# Altium PCB HW_RV_TOUCH_R1M1.PcbDoc (part 1 of 5) (continued)
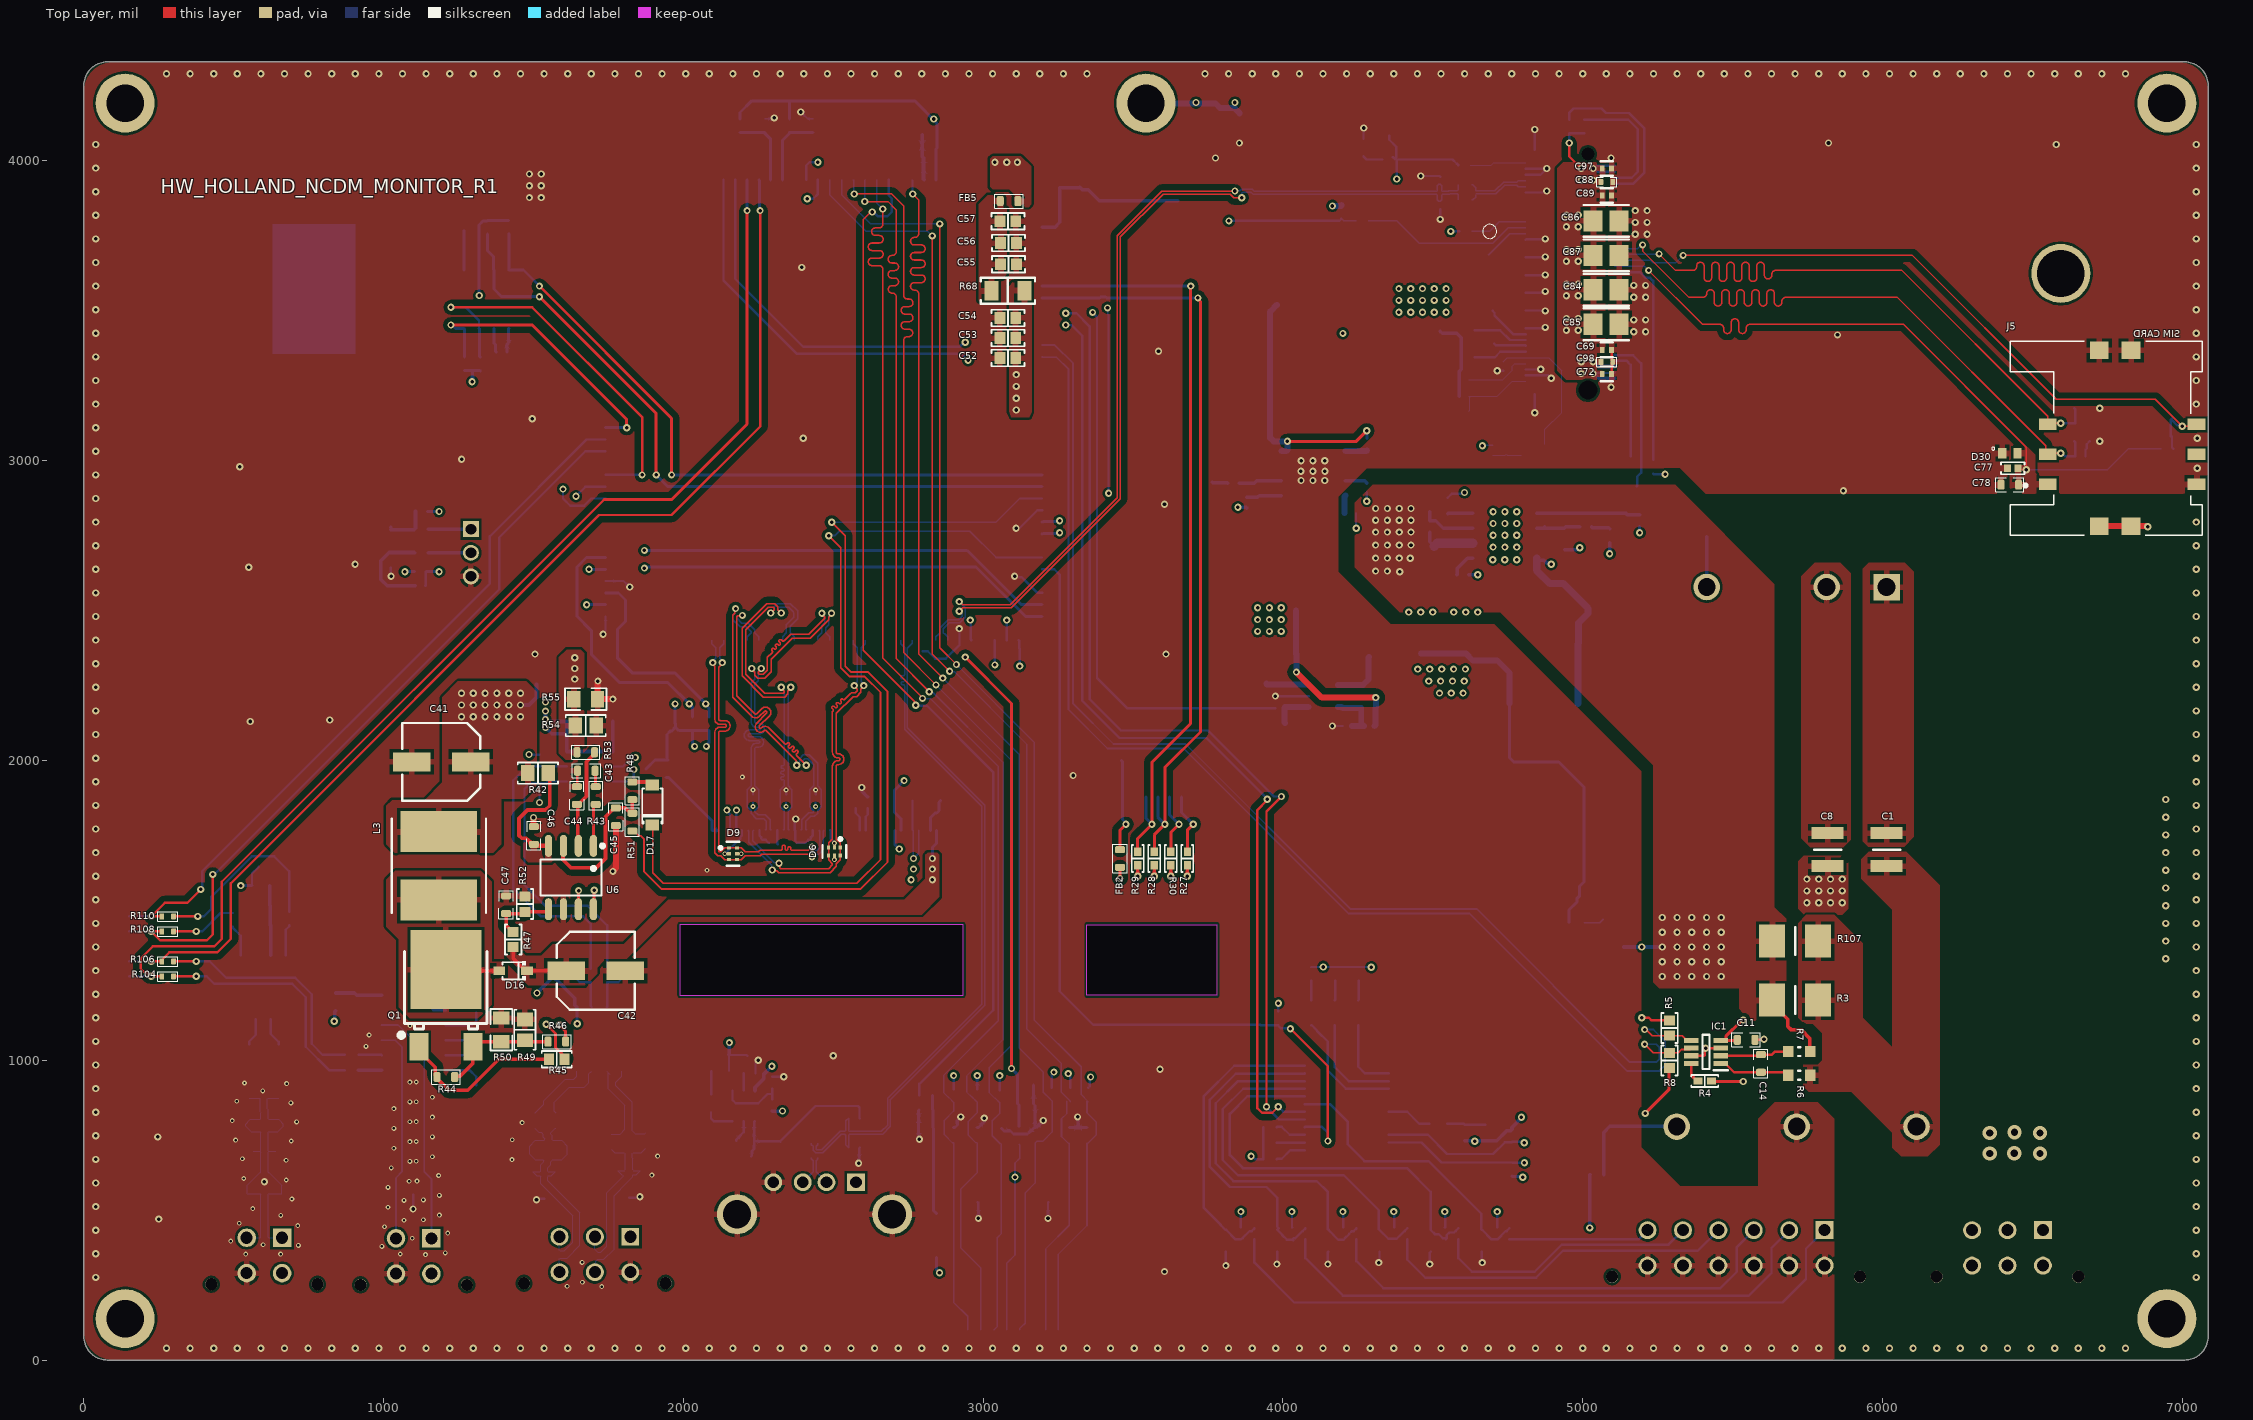
[diagram p0: Top Layer view]
## Components (designator, comment, footprint, x,y, rotation, side; value= is the part's Value field where it differs from the comment) (continued)
GND "GND" TEST_POINT#1 6255.91,149.61 r90 bottom
IC1 "INA232BIDDFR" SOT65P280X110-8N 5411.48,1027.87 r180 top
IC3 "ST3232BDR" "SOIC127P600X175-16N - DUPLICATE" 1100.11,1041.99 r180 bottom
IC4 "MCP23017T-E_SS" SOP65P780X200-28N 4212.95,866.54 r180 bottom
IC5 "TPS54540BQDDARQ1" SOIC127P600X170-9N 4740,2750 r0 bottom
IC6 "TPS54540BQDDARQ1" SOIC127P600X170-9N 4101.38,2958.27 r180 bottom
IC7 "RT8059GJ5" SOT94P280X100-5N 4135,2215 r0 bottom
J1 "FFC & FPC Connectors 0.5 FPC ZIF SMT R/AU prCont40CktEmbsTpPk" 54104-4031 2460.63,1751.97 r180 bottom
J2 "FFC & FPC Connectors RA SMT ZIF BOTTOM 6P FFC/FPC" 522710679 3562.99,1692.91 r180 bottom
J3 "1040310811" MOLEX_104031-0811 3070.87,314.96 r180 bottom
J4 "2199119-3" 2199119-3 4958.62,3629.25 r270 bottom locked
J5 "693010020611" WURTH_693010020611 6800,3075 r270 top locked
J6 "43045-0627" MOLEX_430450627 6535.43,433.07 r0 bottom
J7 "0430450427" MicroFit_2x2_VERT 602.36,332.48 r0 bottom
J8 "B3B-PH-K-S(LF)(SN)" SHDR3W50P0X200_1X3_790X450X600P 1291.34,2771.65 r90 bottom
J9 "87520-0010BLF" AMPHENOL_87520-0010BLF 2437.89,486.22 r180 bottom
J10 "43045-0627" MOLEX_430450627 1822.83,411.22 r0 bottom
J11 "0430450427" MicroFit_2x2_VERT 1100.39,330.71 r0 bottom
J12 "CONN HEADER VERT 12POS 3MM" MOLEX_430451227 5807.09,433.07 r0 bottom
L2 "CMC 100MA 2LN 90 OHM SMD" IND_MCZ1210AH_TDK 2437.99,698.82 r270 bottom
L3 "SRN8040TA-181M" INDPM8080X450N 1184.06,1648.9 r270 top
L4 "IHLP2525CZER4R7M01" FP-IHLP-2525CZ-FP_2_413x3-MFG 4095,3520 r0 bottom
L5 "SRN8040-3R6Y" SRN8040-3R3Y 4870,2190 r180 bottom
L6 "LQM2HPN2R2MG0L" INDC2520X100N 3945,2300 r90 bottom
MTG1 "Mounting Hole, 3MM" MTG-PTH-3MM 137.8,4192.91 r180 bottom locked
MTG2 "Mounting Hole, 3MM" MTG-PTH-3MM 6948.82,4192.91 r180 bottom locked
MTG3 "Mounting Hole, 3MM" MTG-PTH-3MM 137.8,137.8 r180 bottom locked
MTG4 "Mounting Hole, 3MM" MTG-PTH-3MM 6948.82,137.8 r180 bottom locked
MTG6 "Mounting Hole, 3MM" MTG-PTH-3MM 3543.31,4192.91 r180 bottom
P1 "62132021021" 62132021021 1688.23,1905 r270 bottom
P2 "62134021021" 62134021021 228.23,1655 r90 bottom locked
PS1 "RPA60-2412SFW/P" CONV_RPA60-2412SFW/P 5713.78,1678.74 r270 bottom
Q1 "MOSFET N-CH 100V 30A TO252-3" TO-252_L6.5-W6.1-P4.58-LS9.9-BR 1207.8,1173.8 r270 top value="N-Channel 100 V 30A (Tc) 57W (Tc) Surface Mount PG-TO252-3-11"
Q2 "MMBT3904LT1G" ONSC-SOT-23-3-318-08_V 4835,3055 r0 bottom
R1 "0 Ohms" "RES 0402_1005" 5047.24,618.11 r180 bottom
R2 "0 Ohms" "RES 0402_1005" 5047.24,669.29 r0 bottom
R3 "2.5mOhm 2W" RESC5125X89N 5708.66,1200.79 r180 top
R4 "10 kOhms" "RES 0402_1005" 5407.54,930.44 r0 top
R5 "4.7 kOhms" "RES 0603_1608" 5289.43,1107.6 r90 top
R6 "RES 20 OHM 1% 1/10W 0603" RES0603 5722.5,950.12 r0 top value=20R
R7 "RES 20 OHM 1% 1/10W 0603" RES0603 5722.5,1028.86 r0 top value=20R
R8 "4.7 kOhms" "RES 0603_1608" 5289.43,999.33 r270 top
R9 "523 kOhms" RES0402(1005) 4490,2780.32 r270 bottom
R10 "60.4 kOhms" RES0402(1005) 5190,2800.32 r270 bottom
R11 "1 kOhms" "RES 0603_1608" 4980.34,1460.43 r180 bottom
R12 "560 Ohms" "RES 0402_1005" 4355,4005 r0 bottom
R13 "1kOhms" RESC1005X40X25LL05T10 4280,2910 r90 bottom
R14 "43kOhms" RESC1005X40X25NL05T05 3880,2860 r270 bottom
R15 "1kOhms" RESC1005X40X25LL05T10 3990,2175 r0 bottom
R16 "0 Ohms" RES0402(1005) 4265,3800 r0 bottom
R17 "0 Ohms" RES0402(1005) 1520,2000 r90 bottom
R18 "10 Ohms" "RES 0603_1608" 1503.94,799.21 r270 bottom
R19 "RES SMD 120 OHM 1% 1/2W 1206" RES1206 1550,700 r180 bottom value=120R
R20 "10 Ohms" "RES 0603_1608" 1574.8,799.21 r270 bottom
R21 "0 Ohms" "RES 0402_1005" 1690.94,1282.68 r90 bottom
R22 "0 Ohms" "RES 0402_1005" 1746.06,1282.68 r90 bottom
R23 "10 Ohms" "RES 0603_1608" 1759.84,728.35 r270 bottom
R24 "10 Ohms" "RES 0603_1608" 1874.02,732.28 r270 bottom
R25 "10 kOhms" "RES 0402_1005" 2029.63,2122.05 r270 bottom
R26 "10 kOhms" "RES 0402_1005" 2084.75,2122.05 r270 bottom
R27 "10 kOhms" "RES 0402_1005" 3681.1,1673.23 r270 top
R28 "10 kOhms" "RES 0402_1005" 3570.87,1673.23 r270 top
R29 "10 kOhms" "RES 0402_1005" 3515.75,1673.23 r270 top
R30 "10 kOhms" "RES 0402_1005" 3625.98,1673.23 r270 top
R31 "0 Ohms" "RES 0402_1005" 496.06,1468.5 r90 bottom
R32 "RES SMD 120 OHM 1% 1/4W 1206" RES1206 602.36,787.4 r180 bottom value=120R
R33 "0 Ohms" "RES 0402_1005" 685.04,1472.44 r90 bottom
R34 "RES 150 OHM 1% 1/10W 0603" SMR0603 2122.65,964.19 r180 bottom value=150R
R35 "RES 100K OHM 1% 1/16W 0402" RES0402(1005) 2295.88,850.01 r270 bottom value=100k
R36 "RES 100K OHM 1% 1/16W 0402" RES0402(1005) 2295.88,924.82 r270 bottom value=100k
R37 "RES 13.3K OHM 1% 1/16W 0402" RES0402(1005) 2221.07,956.31 r180 bottom value=13.3k
R38 "RES 10K OHM 1% 1/16W 0402" RES0402(1005) 1122.05,2629.92 r180 bottom value=10k
R39 "RES 1K OHM 1% 1/16W 0402" RES0402(1005) 1125.98,2830.71 r0 bottom value=1k
R40 "0 Ohms" "RES 0402_1005" 1125.98,2771.65 r180 bottom
R41 "0 Ohms" "RES 0402_1005" 1125.98,2692.91 r180 bottom
R42 "10 Ohms" "RES 0805_2012" 1514.76,1957.95 r180 top
R43 "RES 56K OHM 1% 1/10W 0603" SMR0603 1707.68,1883.15 r270 top value=56k
R44 "RES 10K OHM 1% 1/10W 0603" SMR0603 1207.68,944.17 r0 top value=10k
R45 "0 Ohms" "RES 0603_1608" 1577.76,1003.23 r180 top
R46 "RES 22K OHM 1% 1/10W 0603" SMR0603 1577.76,1062.28 r180 top value=22k
R47 "51 kOhms" "RES 0603_1608" 1432.09,1402.83 r270 top
R48 "RES 1K OHM 1% 1/10W 0603" SMR0603 1829.72,1898.9 r270 top value=1k
R49 "300 mOhms" "RES 0805_2012" 1471.46,1101.65 r270 top
R50 "125mW Thick Film Resistors ±1% 300mΩ 0805 Chip Resistor - Surface Mount ROHS" SMR0805 1392.72,1101.65 r270 top value=0.3R
R51 "RES 10K OHM 1% 1/10W 0603" SMR0603 1829.72,1794.57 r90 top value=10k
R52 "4.7 kOhms" "RES 0603_1608" 1471.46,1520.95 r270 top
R53 "RES 10K OHM 1% 1/10W 0603" SMR0603 1674.21,2027.56 r180 top value=10k
R54 "1.4 Ohms" "RES 0805_2012" 1674.21,2116.14 r180 top
R55 "125mW Thick Film Resistors ±1% 2.43Ω 0805 Chip Resistor - Surface Mount ROHS" SMR0805 1674.21,2204.72 r180 top value=2.43R
R56 "10 kOhms" "RES 0402_1005" 1322.83,3322.83 r270 bottom
R57 "10 kOhms" "RES 0402_1005" 1270.24,3324 r270 bottom
R58 "10 kOhms" "RES 0402_1005" 1346.46,3779.53 r90 bottom
R59 "10 kOhms" "RES 0402_1005" 1417.32,3779.53 r90 bottom
R60 "10 kOhms" "RES 0402_1005" 3228.35,885.83 r90 bottom
R61 "10 kOhms" "RES 0402_1005" 3055.12,877.95 r90 bottom
R62 "10 kOhms" "RES 0402_1005" 3290,885 r90 bottom
R63 "10 kOhms" "RES 0402_1005" 3350,885 r90 bottom
R64 "10 kOhms" "RES 0402_1005" 2901.57,879.91 r90 bottom
R65 "10 kOhms" "RES 0402_1005" 2980.32,879.91 r90 bottom
R66 "1 kOhms" "RES 0402_1005" 2809.05,882.56 r0 bottom
R67 "10 kOhms" "RES 0402_1005" 2809.05,833.34 r0 bottom
R68 "250 mOhms" "RES 1206_3216" 3082.68,3566.93 r0 top
R69 "0 Ohms" "RES 0402_1005" 893.41,967.19 r180 bottom
R70 "0 Ohms" "RES 0402_1005" 893.41,1018.37 r180 bottom
R71 "10 kOhms" RES0402(1005) 4713.78,422.35 r90 bottom
R72 "0 Ohms" RES0402 1520,1905 r270 bottom
R73 "249kOhm" RESC1005X40X25NL05T05 4287.72,2115 r0 bottom
R74 "54.9kOhm" RESC1005X40X25LL05T10 4215,2115 r0 bottom
R75 "10 kOhms" "RES 0402_1005" 4195,3830 r90 bottom
R76 "4.7kOhms" RESC1005X40X25NL05T10 4700,3035 r270 bottom
R77 "47kOhms" RESC1005X40X25ML05T10 4745,3040 r270 bottom
R78 "10 kOhms" "RES 0402_1005" 4955,4115 r270 bottom
R79 "10 kOhms" "RES 0402_1005" 5005,4115 r270 bottom
R80 "0 Ohms" "RES 0402_1005" 4607.64,3920 r0 bottom
R81 "0 Ohms" "RES 0402_1005" 4607.64,3870 r0 bottom
R82 "10 kOhms" "RES 0402_1005" 5235,2980 r270 bottom
R83 "1 MOhms" "RES 0402_1005" 3855,4135 r270 bottom
R84 "10 kOhms" "RES 0402_1005" 4764.13,750.39 r90 bottom
R85 "100Ohms" RESC1005X40X25ML05T10 4755,421.3 r90 bottom
R86 "10 kOhms" RES0402(1005) 4542.98,422.35 r90 bottom
R87 "100Ohms" RESC1005X40X25ML05T10 4585,421.3 r90 bottom
R88 "10 kOhms" RES0402(1005) 4372.18,422.35 r90 bottom
R89 "10 kOhms" "RES 0402_1005" 4764.13,636.22 r270 bottom
R90 "100Ohms" RESC1005X40X25ML05T10 4415,421.3 r90 bottom
R91 "10 kOhms" RES0402(1005) 4201.38,422.35 r90 bottom
R92 "100Ohms" RESC1005X40X25ML05T10 4245,421.3 r90 bottom
R93 "10 kOhms" RES0402(1005) 4030.58,422.35 r90 bottom
R94 "100Ohms" RESC1005X40X25ML05T10 4075,421.3 r90 bottom
R95 "22 Ohms" "RES 0402_1005" 2354.33,4118.11 r90 bottom
R96 "10 kOhms" RES0402(1005) 3859.78,422.35 r90 bottom
R97 "22 Ohms" "RES 0402_1005" 2188.98,4118.11 r90 bottom
R98 "100Ohms" RESC1005X40X25ML05T10 3905,421.3 r90 bottom
R99 "22 Ohms" "RES 0402_1005" 2433.07,4118.11 r90 bottom
R100 "10 kOhms" "RES 0402_1005" 3985,1140 r90 bottom
R101 "10 kOhms" "RES 0402_1005" 3957.05,669.68 r180 bottom
R102 "10 kOhms" "RES 0402_1005" 3957.05,724.8 r180 bottom
R103 "10 kOhms" "RES 0402_1005" 3957.05,775.98 r180 bottom
R104 "0 Ohms" RES0402(1005) 279.68,1280 r180 top
R105 "22 Ohms" "RES 0402_1005" 2271.65,4118.11 r90 bottom
R106 "0 Ohms" RES0402 279.68,1330 r180 top
R107 "2.5mOhm 2W" RESC5125X89N 5708.66,1397.64 r180 top
R108 "0 Ohms" RES0402(1005) 279.68,1430 r180 top
R109 "23.7kohms" RESC1005X40X25ML05T05 5010,2780 r180 bottom
R110 "0 Ohms" RES0402 279.68,1480 r180 top
R111 "78.7 kOhms" RES0402(1005) 4490,2850 r270 bottom
R113 "11.5 kOhms" RES0402(1005) 5150,2800 r90 bottom
R114 "1 kOhms" "RES 0402_1005" 4253.7,1288.62 r90 bottom
R115 "680 Ohms" "RES 0402_1005" 4174.96,1288.62 r90 bottom
R118 "820 Ohms" "RES 0402_1005" 4094.25,1288.62 r90 bottom
R120 "11.5 kOhms" RES0402(1005) 3915,2860 r90 bottom
R122 "76.8kOhms" RESC1609X50X30ML10T20 4550,2850 r270 bottom
R124 "15.4kOhms" RESC1005X40X25ML05T05 3835,2925 r0 bottom
R126 "97.6kOhms" RESC1005X40X25ML05T10 4225,2825 r180 bottom
R128 "0 Ohms" RES0402(1005) 2615,1860 r90 bottom
R130 "0 Ohms" RES0402(1005) 2575,1860 r90 bottom
R133 "10 kOhms" RES0402(1005) 4607.64,3985 r180 bottom
R134 "10 kOhms" RES0402(1005) 4607.64,3215 r180 bottom
R135 "10 kOhms" RES0402(1005) 4607.64,3270 r180 bottom
R136 "10 kOhms" RES0402(1005) 4607.64,3765 r180 bottom
R137 "0 Ohms" RES0402(1005) 5160,2995.32 r270 bottom
R138 "10 kOhms" RES0402(1005) 6950,3040 r180 bottom
S1 "SKRAAME010" "SKRAAME010 - DUPLICATE" 3535.31,3788.27 r180 bottom
T1 "ACT45B-510-2P" TDK_ACT45B-510-2P-TL003_0 600.39,963.58 r270 bottom
TP1 "VIN" TEST_POINT_SMD#1 6780,475 r180 bottom
TP2 "+12VIN" TEST_POINT_SMD#1 5137.8,1377.95 r180 bottom
TP3 "CTRL" TEST_POINT_SMD#1 5413.39,2746.06 r0 bottom
TP4 "+12V" TEST_POINT_SMD#1 4455,2945 r90 bottom
TP6 "VCC_GSM" TEST_POINT_SMD#1 4355,4085 r0 bottom
TP7 "+5V" TEST_POINT_SMD#2 4980.34,1539.17 r180 bottom
TP8 "SIM_DET" TEST_POINT#1 5180,2915 r90 bottom
TP10 "RS422" TEST_POINT#1 1631.89,1282.68 r180 bottom
TP11 "RS422" TEST_POINT#1 1805.12,1282.68 r180 bottom
TP12 "+3V3" TEST_POINT#1 1885,1970 r0 bottom
TP13 "CAT" TEST_POINT#1 2763.78,1866.14 r180 bottom
TP14 "AN" TEST_POINT#1 2858.27,1866.14 r180 bottom
TP15 "+3V3" TEST_POINT#1 3462.74,1998.3 r180 bottom
TP16 "+3V3" TEST_POINT_SMD#1 3855,2475 r90 bottom
TP17 "5V" TEST_POINT_SMD#1 4440,2235 r90 bottom
TP18 "+3V3" TEST_POINT#1 598.43,1645.67 r0 bottom
TP19 "VCC_USB" TEST_POINT#1 2322.83,728.35 r90 bottom
TP20 "+5V0" TEST_POINT#1 2212.6,1015.75 r90 bottom
TP21 "+12V0" TEST_POINT#1 1510,2255 r0 bottom
TP22 "config3" TEST_POINT#1 4685,3985 r90 bottom
TP23 "config0" TEST_POINT#2 4690,3765 r180 top
TP24 "WAKE_ON" TEST_POINT#1 4335,3800 r0 bottom
TP25 "32KHZ" TEST_POINT#1 1267.72,3767.72 r270 bottom
TP26 "GND" TEST_POINT#1 1484.25,4098.43 r270 bottom
TP27 "GND" TEST_POINT#1 2106.3,240.16 r90 bottom
TP28 "DRP" TEST_POINT#1 4685,3685 r0 bottom locked
TP29 "GND" TEST_POINT#1 4825,1550 r270 bottom
TP30 "" TEST_POINT#1 4700,3500 r90 bottom
TP31 "config0" TEST_POINT#1 4640,3435 r90 bottom
TP32 "" TEST_POINT#1 4710,3395 r90 bottom
TP33 "" TEST_POINT#1 4640,3345 r90 bottom
TP35 "config1" TEST_POINT#1 4665,3270 r90 bottom
TP36 "config2" TEST_POINT#1 4620,3165 r90 bottom
U1 "FILTER LC 4.7UF SMD" MURATA_BNX02_MFG 6620.08,2327.39 r90 bottom
U2 "ADM3074EARZ-REEL7" SOIC127P600X175-8N 1719.57,1070.8 r270 bottom
U3 "IC TRANSCEIVER HALF 1/1 8SOIC" "SOIC8 - duplicate" 598.43,1244.09 r270 bottom value=CAN
U4 "IC PWR SWTCH N/P-CHAN 1:1 TSOT26" SOT95P280X100-6N 2201.39,848.04 r90 bottom
U5 "TVS DIODE 5.25VWM 17VC SOT23-6" SOT95P280X145-6N 2588.58,757.87 r90 bottom
U6 "BIT3368 LED DRIVER CONTROLLER" SOP-8_L4.9-W3.9-P1.27-LS6.0-BL 1625,1609.53 r180 top
U7 "DS3232MZ+TRL" "SOIC127P600X175-8N - DUPLICATE1" 1343.08,3538.56 r270 bottom
U8 "MYC-YT11S3" YOUPK37X39_1_00-SMD-148 2466.53,3171.26 r0 bottom locked

## Footprints (in the part's own frame and the unit in brackets; to place one, negate y for a bottom-side part, rotate by r counter-clockwise, add the part's x,y. Pads: shape width x height; smd on the part's side, far side on the other; paste and mask are expansions set on the pad)
54104-4031 [mm]
  rect 0.3x1.2 smd: 1(9.75,0.382) 2(9.25,0.382) 3(8.75,0.382) 4(8.25,0.382) 5(7.75,0.382) 6(7.25,0.382) 7(6.75,0.382) 8(6.25,0.382) 9(5.75,0.382) 10(5.25,0.382) 11(4.75,0.382) 12(4.25,0.382) 13(3.75,0.382) 14(3.25,0.382) 15(2.75,0.382) 16(2.25,0.382) 17(1.75,0.382) 18(1.25,0.382) 19(0.75,0.382) 20(0.25,0.382) 21(-0.25,0.382) 22(-0.75,0.382) 23(-1.25,0.382) 24(-1.75,0.382) 25(-2.25,0.382) 26(-2.75,0.382) 27(-3.25,0.382) 28(-3.75,0.382) 29(-4.25,0.382) 30(-4.75,0.382) 31(-5.25,0.382) 32(-5.75,0.382) 33(-6.25,0.382) 34(-6.75,0.382) 35(-7.25,0.382) 36(-7.75,0.382) 37(-8.25,0.382) 38(-8.75,0.382) 39(-9.25,0.382) 40(-9.75,0.382)
  rect 2.4x2.4 smd: 41(-11.85,-2.318) 42(11.85,-2.318)
  silkscreen extent -12.15,-6.55 12.15,1.43, body extent -12.75,-4.81 12.75,0.79, height 2.05
2199119-3 [mm]
  rect 0.3x1.55 smd: 1(-9.25,3.775) 2(-9,-3.775) 3(-8.75,3.775) 4(-8.5,-3.775) 5(-8.25,3.775) 6(-8,-3.775) 7(-7.75,3.775) 8(-7.5,-3.775) 9(-7.25,3.775) 10(-7,-3.775) 11(-6.75,3.775) 20(-4.5,-3.775) 21(-4.25,3.775) 22(-4,-3.775) 23(-3.75,3.775) 24(-3.5,-3.775) 25(-3.25,3.775) 26(-3,-3.775) 27(-2.75,3.775) 28(-2.5,-3.775) 29(-2.25,3.775) 30(-2,-3.775) 31(-1.75,3.775) 32(-1.5,-3.775) 33(-1.25,3.775) 34(-1,-3.775) 35(-0.75,3.775) 36(-0.5,-3.775) 37(-0.25,3.775) 38(0,-3.775) 39(0.25,3.775) 40(0.5,-3.775) 41(0.75,3.775) 42(1,-3.775) 43(1.25,3.775) 44(1.5,-3.775) 45(1.75,3.775) 46(2,-3.775) 47(2.25,3.775) 48(2.5,-3.775) 49(2.75,3.775) 50(3,-3.775) 51(3.25,3.775) 52(3.5,-3.775) 53(3.75,3.775) 54(4,-3.775) 55(4.25,3.775) 56(4.5,-3.775) 57(4.75,3.775) 58(5,-3.775) 59(5.25,3.775) 60(5.5,-3.775) 61(5.75,3.775) 62(6,-3.775) 63(6.25,3.775) 64(6.5,-3.775) 65(6.75,3.775) 66(7,-3.775) 67(7.25,3.775) 68(7.5,-3.775) 69(7.75,3.775) 70(8,-3.775) 71(8.25,3.775) 72(8.5,-3.775) 73(8.75,3.775) 74(9,-3.775) 75(9.25,3.775)
  rect 1.2x2.75 smd: 76(-10.35,3) 77(10.35,3)
  round 0.55 hole 1.1 unplated: 78(-10,-1.5)
  round 0.8 hole 1.6 unplated: 79(10,-1.5)
  silkscreen extent -10.92,-3.55 10.92,5, body extent -15,-41.42 15,4.35, height 3.8
522710679 [mm]
  rect 0.6x1.9 smd: 1(2.5,4.7) 2(1.5,4.7) 3(0.5,4.7) 4(-0.5,4.7) 5(-1.5,4.7) 6(-2.5,4.7)
  rect 2.1x2.8 smd: MP1(-5.65,2.35) MP2(5.65,2.35)
  silkscreen extent -5.5,-3.35 5.5,6.3, body extent -6.5,-2.27 6.5,5.13, height 3
62132021021 [mm] "Pin Header, pitch 1.27 mm, SMD, Vertical, dual row, 20p"
  rect 0.75x2.4 smd: 1(-5.715,-1.95) 2(-5.715,1.95) 3(-4.445,-1.95) 4(-4.445,1.95) 5(-3.175,-1.95) 6(-3.175,1.95) 7(-1.905,-1.95) 8(-1.905,1.95) 9(-0.635,-1.95) 10(-0.635,1.95) 11(0.635,-1.95) 12(0.635,1.95) 13(1.905,-1.95) 14(1.905,1.95) 15(3.175,-1.95) 16(3.175,1.95) 17(4.445,-1.95) 18(4.445,1.95) 19(5.715,-1.95) 20(5.715,1.95)
  silkscreen extent -6.95,-2.02 -6.71,-1.78, body extent -6.35,-2.55 6.35,2.55, height 5.9
62134021021 [mm] "Pin Header, pitch 1.27 mm, SMD, Vertical, dual row, 40p"
  rect 0.75x2.4 smd: 1(-12.065,-1.95) 2(-12.065,1.95) 3(-10.795,-1.95) 4(-10.795,1.95) 5(-9.525,-1.95) 6(-9.525,1.95) 7(-8.255,-1.95) 8(-8.255,1.95) 9(-6.985,-1.95) 10(-6.985,1.95) 11(-5.715,-1.95) 12(-5.715,1.95) 13(-4.445,-1.95) 14(-4.445,1.95) 15(-3.175,-1.95) 16(-3.175,1.95) 17(-1.905,-1.95) 18(-1.905,1.95) 19(-0.635,-1.95) 20(-0.635,1.95) 21(0.635,-1.95) 22(0.635,1.95) 23(1.905,-1.95) 24(1.905,1.95) 25(3.175,-1.95) 26(3.175,1.95) 27(4.445,-1.95) 28(4.445,1.95) 29(5.715,-1.95) 30(5.715,1.95) 31(6.985,-1.95) 32(6.985,1.95) 33(8.255,-1.95) 34(8.255,1.95) 35(9.525,-1.95) 36(9.525,1.95) 37(10.795,-1.95) 38(10.795,1.95) 39(12.065,-1.95) 40(12.065,1.95)
  silkscreen extent -13.3,-2.02 -13.06,-1.77, body extent -12.7,-2.55 12.7,2.55, height 5.9
AMPHENOL_87520-0010BLF [mm]
  rect 1.508x1.508 / inner round 1.508 / far side rect 1.508x1.508 hole 1 mask+0.05: 1(-3.5,2.71)
  round 1.508 hole 1 mask+0.05: 2(-1,2.71) 3(1,2.71) 4(3.5,2.71)
  round 3.396 hole 2.38 mask+0.05: SH1(-6.57,0) SH2(6.57,0)
  silkscreen extent -7.25,-10.3 7.25,4.35, body extent -7.24,-10.3 7.26,3.7, height 7.7
BAT_BU2032SM-G [mm]
  rect 3.2x4.2 smd: NEG(14.65,0) POS(-14.65,0)
  Top Layer region: 5.5,-3.5 -5.5,-3.5 -5.5,3.5 5.5,3.5
  silkscreen extent -15,-8 14.5,8, body extent -15.8,-10 15.8,10, height 5.21
CAP0402(1005)X0.5 [mm]
  rrect25% 0.4x0.5 smd mask+0.102: 1(-0.5,0) 2(0.5,0)
  silkscreen extent -0.85,-0.4 0.85,0.4, body extent -0.5,-0.25 0.5,0.25, height 0.51
CAP0603 [mm] "CAPACITOR 0603"
  rect 1x1.05 smd: 1(-0.925,0) 2(0.925,0)
  silkscreen extent -0.05,-0.43 0.05,0.43, body extent -0.8,-0.4 0.8,0.4, height 0.8
CAP1206 [mil]
  rect 43.52x65.28 smd paste+0 mask+0: 1(-50.25,0) 2(50.25,0)
  silkscreen extent -17,-34 17,34, body extent -63,-31 63,31, height 55
CAP1210 [mm]
  rect 1.5x2.75 smd: 1(-1.475,0) 2(1.475,0)
  silkscreen extent -0.35,-1.28 0.35,1.27, body extent -1.6,-1.25 1.6,1.25, height 1.8
CAP1812 [mm]
  rect 1.5x3.45 smd: 1(-2,0) 2(2,0)
  silkscreen extent -1.5,-2.1 1.5,2.1, body extent -2.25,-1.6 2.25,1.6, height 1.4
"CAP 0402_1005" [mm] "Chip Capacitor, 2-Leads, Body 1.02x0.51mm, IPC Medium Density"
  rect 0.6x0.64 smd: 1(-0.44,0) 2(0.44,0)
  silkscreen extent -1,-0.5 1,0.5, body extent -0.5,-0.26 0.5,0.26, height 0.52
"CAP 0603_1608" [mm] "Chip Capacitor, 2-Leads, Body 1.60x0.80mm, IPC Medium Density"
  rect 0.9x1 smd: 1(-0.675,0) 2(0.675,0)
  silkscreen extent -1.4,-0.7 1.4,0.7, body extent -0.8,-0.41 0.8,0.41, height 0.82
"CAP 0805_2012" [mm] "Chip Capacitor, 2-Leads, Body 2.00x1.20mm, IPC Medium Density"
  rect 1.3x1.4 smd: 1(-0.8,0) 2(0.8,0)
  silkscreen extent -1.7,-0.9 1.7,0.9, body extent -1,-0.64 1,0.64, height 1.26
"CAP 1206_3216 - 0.8MM" [mm] "Chip Capacitor, 2-Leads, Body 3.25x1.60mm, IPC Medium Density"
  rect 1.3x1.8 smd: 1(-1.45,0) 2(1.45,0)
  silkscreen extent -2.38,-1.12 2.37,1.12, body extent -1.6,-0.8 1.6,0.8, height 0.8
"CAP 1206_3216 - 1.8MM" [mm] "Chip Capacitor, 2-Leads, Body 3.25x1.60mm, IPC Medium Density"
  rect 1.3x1.8 smd: 1(-1.45,0) 2(1.45,0)
  silkscreen extent -2.38,-1.12 2.37,1.13, body extent -1.6,-0.8 1.6,0.8, height 1.8
"CAP ALSMD 6.6MM H5.4MM" [mm] "Aluminum Electrolytic Capacitor, Body 6.60x6.60x5.40mm, IPC Low Density"
  rect 3.2x1.6 smd: 1(-2.5,0) 2(2.5,0)
  silkscreen extent -3.3,-3.3 3.3,3.3, body extent -3.5,-3.3 3.5,3.3, height 5.4
CAPC1608X90X35NL10T15 [mm] "Chip Capacitor, 2-Leads, Body 1.60x0.80mm, IPC Medium Density"
  rect 0.85x0.95 smd: 1(-0.675,0) 2(0.675,0)
  body extent -0.85,-0.45 0.85,0.45, height 0.9
CAPC3216X180N [mm]
  rect 1.05x1.82 smd: 1(-1.39,0) 2(1.39,0)
  silkscreen extent 0,-0.7 0,0.7, body extent -1.6,-0.8 1.6,0.8, height 1.8
CAPC3225X280N [mm]
  rect 1.02x2.72 smd: 1(-1.4,0) 2(1.4,0)
  silkscreen extent 0,-1.15 0,1.15, body extent -1.7,-1.35 1.7,1.35, height 2.8
CONV_RPA60-2412SFW/P [mm]
  rect 2.25x2.25 hole 1.5: 1(-22.86,-7.62)
  round 2.25 hole 1.5: 2(-22.86,-2.54) 3(-22.86,7.62) 4(22.86,10.16) 5(22.86,0) 6(22.86,-10.16)
  silkscreen extent -27.5,-12.7 25.4,12.7, body extent -25.4,-12.75 25.4,12.65, height 10.21
DIOM7959X250N [mm]
  rect 2.2x3.1 smd: 1(-3.5,0) 2(3.5,0)
  silkscreen extent -4.6,-2.95 3.97,4.25, body extent -3.97,-2.95 3.97,2.95, height 2.5
DIOM7959X262N [mm]
  rect 2.2x3.15 smd: 1(-3.5,0) 2(3.5,0)
  silkscreen extent -4.6,-2.95 3.97,2.95, body extent -3.97,-2.95 3.97,2.95, height 2.62
"FB 0603(1608)" [mm]
  rrect50% 0.6x0.85 smd: 1(-0.75,0) 2(0.75,0)
  silkscreen extent -1.2,-0.6 1.2,0.6, body extent -0.8,-0.4 0.8,0.4, height 0.8
FP-C0603C-CF-MFG [mm]
  rect 0.75x0.9 smd paste+0 mask+0: 1(-0.6,0) 2(0.6,0)
  silkscreen extent -0.87,-0.85 0.88,0.85, body extent -0.8,-0.4 0.8,0.4, height 0.87
FP-C3216-160-0_3-IPC_C [mil]
  rect 63.15x71.11 smd paste+0 mask+0: 1(-43.35,0) 2(43.35,0)
  silkscreen extent -75,-53 75,53, body extent -79,-41 79,41, height 10
FP-CGA2B-MFG [mm]
  rect 0.4x0.5 smd paste+0 mask+0: 1(-0.4,0) 2(0.4,0)
  silkscreen extent -0.53,-0.63 0.53,0.63, body extent -0.7,-0.38 0.7,0.38, height 0.25
FP-CL165-IPC_C [mil]
  rect 20.29x18.6 smd paste+0 mask+0: 1(-14.9,0) 2(14.9,0)
  silkscreen extent -25,-27 25,27, body extent -20,-10 20,10, height 22
FP-GRM15-MFG [mm]
  rect 0.4x0.5 smd paste+0 mask+0: 1(-0.4,0) 2(0.4,0)
  silkscreen extent -0.53,-0.63 0.53,0.63, body extent -0.7,-0.38 0.7,0.38, height 0.25
FP-GRM32E-0_3-0_2-IPC_C [mil]
  rect 67.04x102.61 smd paste+0 mask+0: 1(-41.36,0) 2(41.36,0)
  silkscreen extent -75,-69 75,69, body extent -63,-49 63,49, height 106
FP-IHLP-2525CZ-FP_2_413x3-MFG [mil]
  rect 95x135 smd paste+0 mask+0: 1(-115,0) 2(115,0)
  silkscreen extent -132,-132 132,132, body extent -135,-127 135,127, height 118
FP-SESD0402-MFG [mm]
  rect 0.35x0.6 smd paste+0 mask+0: 1(-0.325,0) 2(0.325,0)
  silkscreen extent -0.53,-0.71 0.53,0.7, body extent -0.5,-0.3 0.5,0.3, height 0.43
IND_MCZ1210AH_TDK [mil]
  rect 20x12 smd paste-6 mask+0: 1(-24.11,10.83) 2(-24.11,-10.83) 3(24.11,-10.83) 4(24.11,10.83)
  silkscreen extent -42,-27 7,29, body extent -27,-23 27,23, height 24
INDC2520X100N [mm]
  rect 1.25x2.2 smd: 1(-1.1,0) 2(1.1,0)
  silkscreen extent 0,-0.9 0,0.9, body extent -1.25,-1 1.25,1, height 1
INDPM8080X450N [mm]
  rect 3.45x6.5 smd: 1(-2.9,0) 2(2.9,0)
  silkscreen extent -4,-4 4,4, body extent -4,-4 4,4, height 4.5
LED0805 [mm]
  rect 1.1x1.2 smd: 1(-1.05,0) 2(1.05,0)
  silkscreen extent -0.15,-0.5 0.15,0.5, body extent -1,-0.63 1,0.62, height 0.68
LITE-ON_0_MFG [mm]
  rect 0.8x0.8 smd paste+0 mask+0: 1(-0.75,0) 2(0.75,0)
  silkscreen extent -1.82,-0.8 0.7,0.8, body extent -0.8,-0.4 0.8,0.4, height 0.65
LITE-ON_GREEN_MFG [mm]
  rect 0.8x0.8 smd paste+0 mask+0: 1(-0.75,0) 2(0.75,0)
  silkscreen extent -1.82,-0.77 0.85,0.77, body extent -0.8,-0.4 0.8,0.4, height 0.65
LITTELFUSE_SM712_MFG [mm]
  rect 0.78x0.78 smd paste+0 mask+0: 1(-1.145,0.95) 2(-1.145,-0.95) 3(1.145,0)
  silkscreen extent -0.7,-1.52 0.7,1.52, body extent -1.25,-1.5 1.25,1.5, height 1.1
MicroFit_2x2_VERT [mm]
  rect 1.57x1.57 hole 1.02 paste-2539.97 mask+0: 1(1.5,-1.915)
  round 1.57 hole 1.02 paste-2539.97 mask+0: 2(-1.5,-1.915) 3(1.5,1.085) 4(-1.5,1.085)
  round 1.02 hole 1.02 unplated paste-2539.97 mask+0: ""(-4.5,2.025) ""(4.5,2.025)
  silkscreen extent -5.2,-4.63 5.93,4.63, body extent -5.08,-4.39 5.08,4.39, height 10.16
MOLEX_104031-0811 [mm]
  rect 0.85x1.1 smd: 1(3.105,-5.45) 2(2.005,-5.45) 3(0.905,-5.45) 4(-0.195,-5.45) 5(-1.295,-5.45) 6(-2.395,-5.45) 7(-3.495,-5.45)
  rect 0.75x1.1 smd: 8(-4.545,-5.45)
  rect 1.2x1 smd: 9(5.74,0.7) 10(5.74,4.4)
  rect 1.55x1.35 smd: G1(5.565,-5.325)
  rect 1.17x1.8 smd: G2(-5.755,-5.1)
  rect 1.9x1.35 smd: G3(-3.73,5.375) G4(2.24,5.375)
  silkscreen extent -5.98,-6.9 5.97,5.7, body extent -5.98,-5.7 5.97,5.7, height 1.43
MOLEX_430450627 [mm]
  rect 1.52x1.52 / inner round 1.52 / far side rect 1.52x1.52 hole 1.02 mask+0.076: 1(0,0)
  round 1.52 hole 1.02 mask+0.076: 2(-3,0) 3(-6,0) 4(0,3) 5(-3,3) 6(-6,3)
  round 1.02 hole 1.02 unplated mask+0.076: ""(-9,3.94) ""(3,3.94)
  silkscreen extent -9.58,-2.47 4.63,6.3, body extent -9.58,-2.47 3.57,6.3, height 9.92
MOLEX_430451227 [mm]
  rect 1.52x1.52 / inner round 1.52 / far side rect 1.52x1.52 hole 1.02 mask+0.076: 1(0,0)
  round 1.52 hole 1.02 mask+0.076: 2(-3,0) 3(-6,0) 4(-9,0) 5(-12,0) 6(-15,0) 7(0,3) 8(-3,3) 9(-6,3) 10(-9,3) 11(-12,3) 12(-15,3)
  round 1.02 hole 1.02 unplated mask+0.076: ""(-18,3.94) ""(3,3.94)
  silkscreen extent -18.57,-2.47 4.63,6.3, body extent -18.57,-2.45 3.58,6.32, height 9.92
MTG-PTH-3MM [mm]
  round 5 hole 3.175: 0(0,0)
  Mechanical 1 keep-out circle w1.651: c0,0 r3.028
  Bottom Courtyard keep-out circle w1.651: c0,0 r3.028
  body extent -3.81,-3.81 3.81,3.81, height 0.03
MURATA_BNX02_MFG [mm]
  rect 3.8x2.5 smd paste+0 mask+0: 1(-6.85,2.15) 2(6.85,2.15) 3(-6.85,-2.15) 4(6.85,-2.15)
  rect 7.9x2.3 smd paste+0 mask+0: 4(1,-5.05)
  rect 3.4x2.3 smd paste+0 mask+0: 4(3.25,5.1)
  silkscreen extent -9.45,-4.65 6.15,4.65, body extent -6.05,-4.55 6.05,4.55, height 3.35
NEXPERIA_SOT23_0 [mm]
  rect 0.6x0.7 smd paste-1000 mask+0: 1(0.95,1) 2(-0.95,1) 3(0,-1)
  silkscreen extent -1.5,-0.7 2.22,1.12, body extent -1.45,-1.22 1.45,1.22, height 1.1
NEXPERIA_SOT886_MFG [mm]
  rect 0.325x0.27 smd paste+0 mask+0: 1(-0.337,0.5) 2(-0.337,0) 3(-0.337,-0.5) 4(0.337,-0.5) 5(0.337,0) 6(0.337,0.5)
  silkscreen extent -1.17,-1.01 0.53,1.01, body extent -0.5,-0.72 0.5,0.73, height 0.5
ONSC-SOT-23-3-318-08_V [mm] "SOT23, 3-Leads, Body 2.92x1.3mm, Pitch 0.95mm"
  rect 0.9x0.8 smd: 1(-1,0.95) 2(-1,-0.95) 3(1,0)
  silkscreen extent -1.12,-1.46 0.65,2.02, body extent -0.65,-1.46 0.65,1.46, height 1.11
RES0402 [mm]
  rrect25% 0.4x0.5 smd mask+0.102: 1(-0.5,0) 2(0.5,0)
  silkscreen extent -0.85,-0.4 0.85,0.4, body extent -0.5,-0.25 0.5,0.25, height 0.35
RES0402(1005) [mm]
  rrect25% 0.4x0.5 smd mask+0.102: 1(-0.5,0) 2(0.5,0)
  silkscreen extent -0.85,-0.4 0.85,0.4, body extent -0.5,-0.25 0.5,0.25, height 0.35
RES0603 [mm]
  rect 0.9x0.95 smd: 1(-0.925,0) 2(0.925,0)
  silkscreen extent -0.1,-0.38 0.1,0.38, body extent -0.8,-0.4 0.8,0.4, height 0.5
RES1206 [mm]
  rect 1.05x1.75 smd: 1(-1.6,0) 2(1.6,0)
  silkscreen extent -0.7,-0.77 0.7,0.77, body extent -1.55,-0.8 1.55,0.8, height 0.55
"RES 0402_1005" [mm] "Chip Resistor, 2-Leads, Body 1.0x0.5mm, IPC Medium Density"
  rect 0.75x0.6 smd: 1(-0.575,0) 2(0.575,0)
  silkscreen extent -1.14,-0.51 1.14,0.51, body extent -0.5,-0.25 0.5,0.25, height 0.35
"RES 0603_1608" [mm] "Chip Resistor, 2-Leads, Body 1.60x0.80mm, IPC Medium Density"
  rect 0.85x0.95 smd: 1(-0.65,0) 2(0.65,0)
  silkscreen extent -1.27,-0.7 1.27,0.7, body extent -0.8,-0.4 0.8,0.4, height 0.45
"RES 0805_2012" [mm] "Chip Resistor, 2-Leads, Body 2.00x1.25mm, IPC Medium Density"
  rect 1.15x1.35 smd: 1(-0.875,0) 2(0.875,0)
  silkscreen extent -1.7,-0.9 1.7,0.9, body extent -1,-0.62 1,0.63, height 0.6
"RES 1206_3216" [mm] "Chip Resistor, 2-Leads, Body 3.13x1.55mm, IPC Medium Density"
  rect 1.2x1.65 smd: 1(-1.4,0) 2(1.4,0)
  silkscreen extent -2.3,-1.1 2.3,1.1, body extent -1.6,-0.8 1.6,0.8, height 0.6
RESC1005X40X25LL05T10 [mm] "Chip Resistor, 2-Leads, Body 1.00x0.50mm, IPC High Density"
  rect 0.5x0.45 smd: 1(-0.375,0) 2(0.375,0)
  body extent -0.53,-0.27 0.53,0.28, height 0.4
RESC1005X40X25ML05T05 [mm] "Chip Resistor, 2-Leads, Body 1.00x0.50mm, IPC Low Density"
  rect 0.65x0.65 smd: 1(-0.5,0) 2(0.5,0)
  body extent -0.53,-0.27 0.53,0.28, height 0.4
RESC1005X40X25ML05T10 [mm] "Chip Resistor, 2-Leads, Body 1.00x0.50mm, IPC Low Density"
  rect 0.7x0.65 smd: 1(-0.475,0) 2(0.475,0)
  body extent -0.53,-0.27 0.53,0.28, height 0.4
RESC1005X40X25NL05T05 [mm] "Chip Resistor, 2-Leads, Body 1.00x0.50mm, IPC Medium Density"
  rect 0.55x0.55 smd: 1(-0.45,0) 2(0.45,0)
  body extent -0.53,-0.27 0.53,0.28, height 0.4
RESC1005X40X25NL05T10 [mm] "Chip Resistor, 2-Leads, Body 1.00x0.50mm, IPC Medium Density"
  rect 0.6x0.55 smd: 1(-0.425,0) 2(0.425,0)
  body extent -0.53,-0.27 0.53,0.28, height 0.4
RESC1609X50X30ML10T20 [mm] "Chip Resistor, 2-Leads, Body 1.55x0.85mm, IPC Low Density"
  rect 0.9x1.05 smd: 1(-0.675,0) 2(0.675,0)
  body extent -0.82,-0.48 0.82,0.48, height 0.5
RESC5125X89N [mm]
  rect 2.2x2.8 smd: 1(-1.95,0) 2(1.95,0)
  silkscreen extent 0,-1.17 0,1.17, body extent -2.54,-1.27 2.54,1.27, height 0.67
SHDR3W50P0X200_1X3_790X450X600P [mm]
  rect 1.35x1.35 hole 0.9: 1(0,0)
  round 1.35 hole 0.9: 2(-2,0) 3(-4,0)
  silkscreen extent -5.95,-1.7 1.95,2.8, body extent -5.86,-1.74 2,2.94, height 5.89
"SKRAAME010 - DUPLICATE" [mm]
  rect 2.75x1 smd: 1(-2.875,2) 2(2.875,2) 3(-2.875,-2) 4(2.875,-2)
  silkscreen extent -6.5,-3.1 3.1,3.1, body extent -3.4,-3.21 3.4,3.21, height 5.1
SMC0603 [mm]
  rrect50% 0.6x0.85 smd: 1(-0.75,0) 2(0.75,0)
  silkscreen extent -1.2,-0.6 1.2,0.6, body extent -0.8,-0.4 0.8,0.4, height 0.81
SMC0805 [mm]
  rrect50% 0.7x1.25 smd: 1(-1,0) 2(1,0)
  silkscreen extent -1.5,-0.8 1.5,0.8, body extent -1,-0.62 1,0.63, height 0.86
SMC1206 [mm]
  rrect50% 0.9x1.6 smd mask+0.102: 1(-1.5,0) 2(1.5,0)
  silkscreen extent -2.05,-0.95 2.05,0.95, body extent -1.6,-0.8 1.6,0.8, height 1.26
SMR0603 [mm]
  rrect50% 0.6x0.85 smd: 1(-0.75,0) 2(0.75,0)
  silkscreen extent -1.2,-0.6 1.2,0.6, body extent -0.8,-0.4 0.8,0.4, height 0.45
SMR0805 [mil]
  rect 44.59x54.21 smd: 1(-39.37,0) 2(39.37,0)
  silkscreen extent -69,-36 69,36, body extent -39,-25 39,25, height 31
SOD1005X60N [mm]
  rect 0.7x0.9 smd: 1(-0.65,0) 2(0.65,0)
  silkscreen extent -1.53,0.27 -1.27,0.53, body extent -1.07,-0.61 1.07,0.61, height 1.23
SOD-123_L2.8-W1.8-LS3.7-RD [mm]
  rect 0.95x1.15 smd: 1(-1.693,0) 2(1.693,0)
  silkscreen extent -1.58,-0.87 1.41,0.87, body extent -1.98,-0.96 1.98,0.96, height 0.96
SOD-323_L1.8-W1.3-LS2.5-RD [mm]
  rect 1x0.75 smd: 1(-1.173,0) 2(1.173,0)
  silkscreen extent -1.08,-0.8 0.9,0.8, body extent -1.35,-0.72 1.35,0.72, height 1.17
SOD-923-2 [mm]
  rect 0.4x0.325 smd: 1(-0.437,0) 2(0.437,0)
  silkscreen extent -0.47,0.48 -0.37,0.57, body extent -0.53,-0.33 0.52,0.32, height 0.44
"SOIC8 - duplicate" [mm]
  rect 1.5x0.65 smd: 1(-2.9,1.905) 2(-2.9,0.635) 3(-2.9,-0.635) 4(-2.9,-1.905) 5(2.9,-1.905) 6(2.9,-0.635) 7(2.9,0.635) 8(2.9,1.905)
  silkscreen extent -3.02,-2.5 1.75,2.9, body extent -3,-2.45 3,2.45, height 1.91
SOIC127P600X170-9N [mm]
  rect 1.525x0.65 smd: 1(-2.712,1.905) 2(-2.712,0.635) 3(-2.712,-0.635) 4(-2.712,-1.905) 5(2.712,-1.905) 6(2.712,-0.635) 7(2.712,0.635) 8(2.712,1.905)
  rect 2.4x3.1 smd: 9(0,0)
  silkscreen extent -3.47,2.58 -1.95,2.58, body extent -3,-2.45 3,2.45, height 1.57
SOIC127P600X175-8N [mm]
  rect 1.525x0.65 smd: 1(-2.712,1.905) 2(-2.712,0.635) 3(-2.712,-0.635) 4(-2.712,-1.905) 5(2.712,-1.905) 6(2.712,-0.635) 7(2.712,0.635) 8(2.712,1.905)
  silkscreen extent -3.47,-2.45 1.6,2.58, body extent -3,-2.45 3,2.45, height 1.75
"SOIC127P600X175-8N - DUPLICATE1" [mm]
  rrect25% 1.97x0.59 smd: 1(-2.475,1.905) 2(-2.475,0.635) 3(-2.475,-0.635) 4(-2.475,-1.905) 5(2.475,-1.905) 6(2.475,-0.635) 7(2.475,0.635) 8(2.475,1.905)
  silkscreen extent -4.54,-2.52 2,2.59, body extent -2.87,-2.45 3.13,2.45, height 1.75
"SOIC127P600X175-16N - DUPLICATE" [mm]
  rect 1.525x0.65 smd: 1(-2.712,4.445) 2(-2.712,3.175) 3(-2.712,1.905) 4(-2.712,0.635) 5(-2.712,-0.635) 6(-2.712,-1.905) 7(-2.712,-3.175) 8(-2.712,-4.445) 9(2.712,-4.445) 10(2.712,-3.175) 11(2.712,-1.905) 12(2.712,-0.635) 13(2.712,0.635) 14(2.712,1.905) 15(2.712,3.175) 16(2.712,4.445)
  silkscreen extent -3.47,-4.95 1.6,5.12, body extent -3,-4.95 3,4.95, height 1.75